# KiCad board S100-Backplane.kicad_pcb (continued)
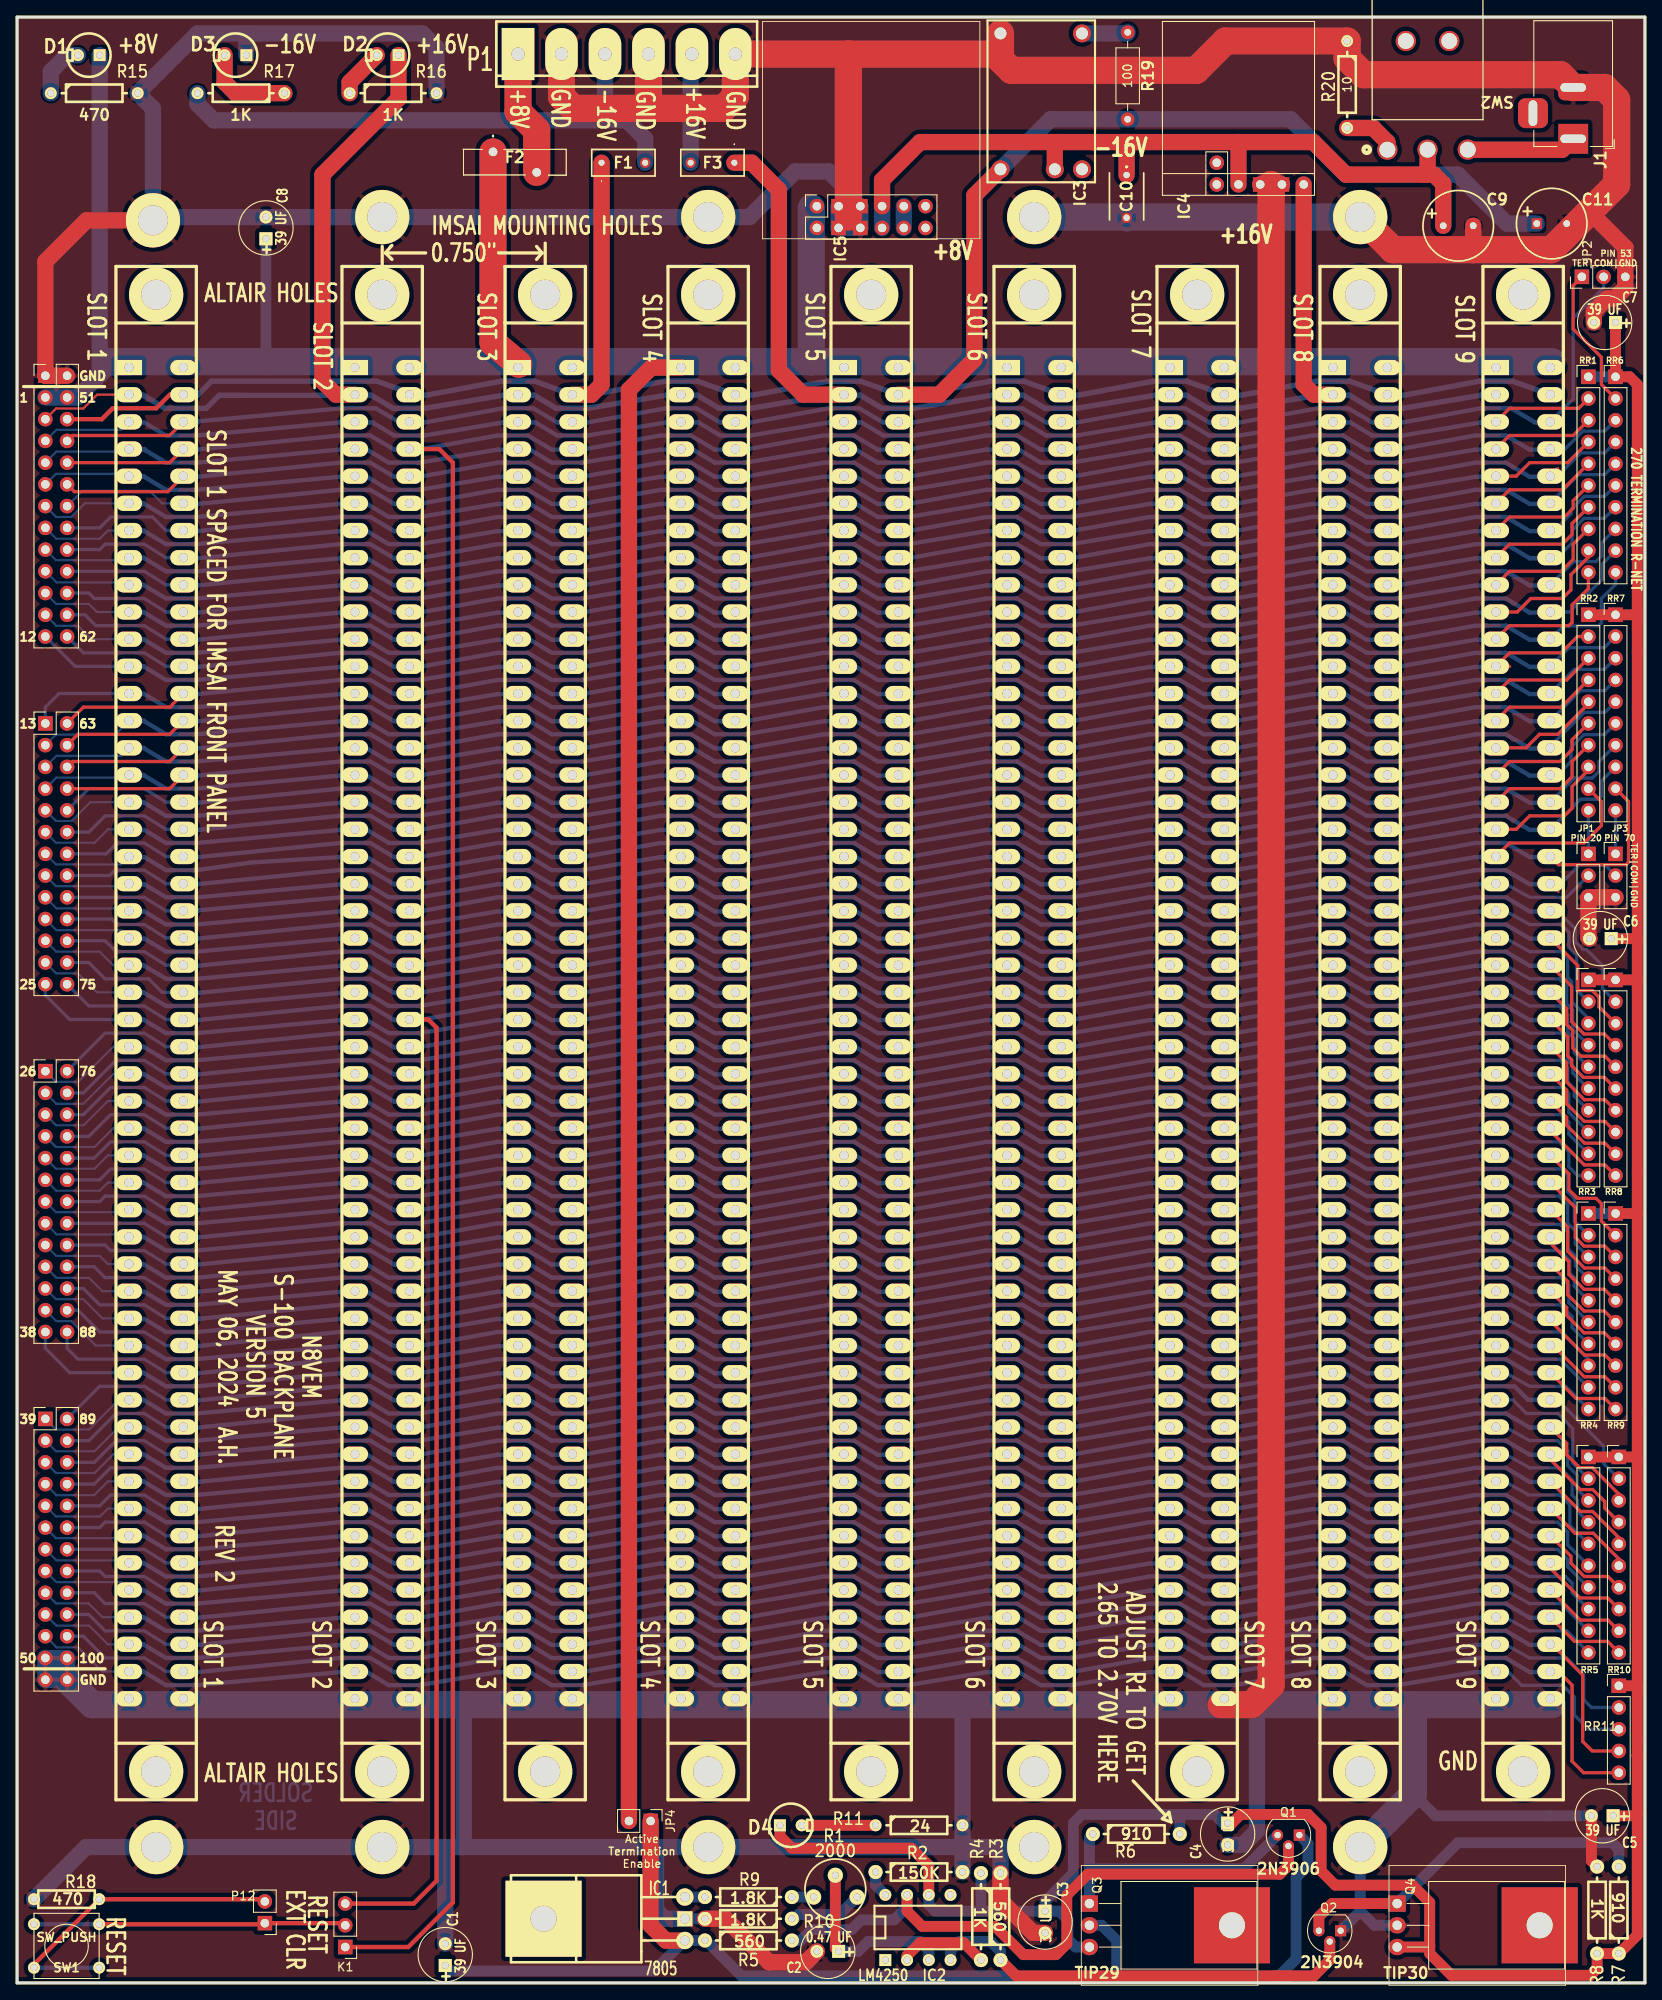
[diagram p0: board, top side]
## Nets (continued)
/pin_15: P3.5 RR2.5 U31.15 U32.15 U33.15 U34.15 U35.15 U36.15 U37.15 U38.15 U39.15
/pin_16: P3.7 RR2.6 U31.16 U32.16 U33.16 U34.16 U35.16 U36.16 U37.16 U38.16 U39.16
/pin_17: P3.9 RR2.7 U31.17 U32.17 U33.17 U34.17 U35.17 U36.17 U37.17 U38.17 U39.17
/pin_59: P2.20 RR6.8 U31.59 U32.59 U33.59 U34.59 U35.59 U36.59 U37.59 U38.59 U39.59
/pin_60: P2.22 RR6.9 U31.60 U32.60 U33.60 U34.60 U35.60 U36.60 U37.60 U38.60 U39.60
/pin_61: P2.24 RR6.10 U31.61 U32.61 U33.61 U34.61 U35.61 U36.61 U37.61 U38.61 U39.61
/pin_62: P2.26 RR7.2 U31.62 U32.62 U33.62 U34.62 U35.62 U36.62 U37.62 U38.62 U39.62
/pin_63: P3.2 RR7.3 U31.63 U32.63 U33.63 U34.63 U35.63 U36.63 U37.63 U38.63 U39.63
/pin_64: P3.4 RR7.4 U31.64 U32.64 U33.64 U34.64 U35.64 U36.64 U37.64 U38.64 U39.64
/pin_65: P3.6 RR7.5 U31.65 U32.65 U33.65 U34.65 U35.65 U36.65 U37.65 U38.65 U39.65
/pin_66: P3.8 RR7.6 U31.66 U32.66 U33.66 U34.66 U35.66 U36.66 U37.66 U38.66 U39.66
/PINTE: P4.5 RR3.9 U31.28 U32.28 U33.28 U34.28 U35.28 U36.28 U37.28 U38.28 U39.28
/PRDY: P3.20 RR8.3 U31.72 U32.72 U33.72 U34.72 U35.72 U36.72 U37.72 U38.72 U39.72
/PROT(GND): JP3.1 RR7.10
/PSYNC: P4.2 RR8.7 U31.76 U32.76 U33.76 U34.76 U35.76 U36.76 U37.76 U38.76 U39.76
/PWAIT: P4.3 RR3.8 U31.27 U32.27 U33.27 U34.27 U35.27 U36.27 U37.27 U38.27 U39.27
/RTC(---): P2.12 RR6.4 U31.55 U32.55 U33.55 U34.55 U35.55 U36.55 U37.55 U38.55 U39.55
/RUN: P3.18 RR8.2 U31.71 U32.71 U33.71 U34.71 U35.71 U36.71 U37.71 U38.71 U39.71
/SHLTA: P5.19 RR11.2 U31.48 U32.48 U33.48 U34.48 U35.48 U36.48 U37.48 U38.48 U39.48
/SINP: P5.15 RR5.9 U31.46 U32.46 U33.46 U34.46 U35.46 U36.46 U37.46 U38.46 U39.46
/SINTA: P5.16 RR10.9 U31.96 U32.96 U33.96 U34.96 U35.96 U36.96 U37.96 U38.96 U39.96
/SM1: P5.11 RR5.7 U31.44 U32.44 U33.44 U34.44 U35.44 U36.44 U37.44 U38.44 U39.44
/SMEMR: P5.17 RR5.10 U31.47 U32.47 U33.47 U34.47 U35.47 U36.47 U37.47 U38.47 U39.47
/SOUT: P5.13 RR5.8 U31.45 U32.45 U33.45 U34.45 U35.45 U36.45 U37.45 U38.45 U39.45
/SS: P3.17 RR3.2 U31.21 U32.21 U33.21 U34.21 U35.21 U36.21 U37.21 U38.21 U39.21
/SSTACK: P5.20 RR11.4 U31.98 U32.98 U33.98 U34.98 U35.98 U36.98 U37.98 U38.98 U39.98
/UNPROT(T5): JP1.1 RR2.10
/Vacc: C3.1 C4.1 C5.1 C6.1 C7.1 D4.1 IC2.6 Q3.3 Q4.3 R4.1 R6.2 R7.1 R8.1 RR1.1 RR2.1 RR3.1 RR4.1 RR5.1 RR6.1 RR7.1 RR8.1 RR9.1 RR10.1 RR11.1
/VI_0: P2.9 RR1.3 U31.4 U32.4 U33.4 U34.4 U35.4 U36.4 U37.4 U38.4 U39.4
/VI_1: P2.11 RR1.4 U31.5 U32.5 U33.5 U34.5 U35.5 U36.5 U37.5 U38.5 U39.5
/VI_2: P2.13 RR1.5 U31.6 U32.6 U33.6 U34.6 U35.6 U36.6 U37.6 U38.6 U39.6
/VI_3: P2.15 RR1.6 U31.7 U32.7 U33.7 U34.7 U35.7 U36.7 U37.7 U38.7 U39.7
/VI_4: P2.17 RR1.7 U31.8 U32.8 U33.8 U34.8 U35.8 U36.8 U37.8 U38.8 U39.8
/VI_5: P2.19 RR1.8 U31.9 U32.9 U33.9 U34.9 U35.9 U36.9 U37.9 U38.9 U39.9
/VI_6: P2.21 RR1.9 U31.10 U32.10 U33.10 U34.10 U35.10 U36.10 U37.10 U38.10 U39.10
/VI_7: P2.23 RR1.10 U31.11 U32.11 U33.11 U34.11 U35.11 U36.11 U37.11 U38.11 U39.11
/XRDY: P2.7 RR1.2 U31.3 U32.3 U33.3 U34.3 U35.3 U36.3 U37.3 U38.3 U39.3
Net-(C2-Pad1): C2.1 IC2.3 R1.2
Net-(D1-K): D1.2 R15.1
Net-(D2-K): D2.2 R16.1
Net-(D3-K): D3.2 R17.1
Net-(D4-K): D4.2 R11.1
Net-(IC2-FIN-Pad8): IC2.8 R2.1
Net-(IC2-MINUS-Pad2): IC2.2 R4.2
Net-(IC2-MINUS-Pad4): IC2.4 Q2.2 R3.1
Net-(IC3-VO_ADJUST): IC3.4 R19.1
Net-(IC5-Pin_10): IC5.9 IC5.10
Net-(J1-Pad1): J1.1 SW2.3
Net-(K1-PM): K1.2 P12.1 SW1.2
Net-(P12-PM): P12.2 R18.1 SW1.1
Net-(Q1-B): IC2.7 Q1.2 R5.2
Net-(Q1-C): Q1.3 Q3.1 R6.1
Net-(Q4-B): Q2.3 Q4.1 R7.2
Net-(R1-Pad1): R1.1 R9.1
Net-(R1-Pad3): R1.3 R10.1
Net-(R20-Pad2): R20.2 SW2.1

Pads without a net: IC1 4; IC2 1 5; IC3 3; IC4 1 6; IC5 11 12; J1 3; Q3 4; Q4 4; SW2 4 5; U31 101 102; U32 101 102; U33 101 102; U34 101 102; U35 101 102; U36 101 102; U37 101 102; U38 101 102; U39 101 102

## Routing (per net, layer and track width the routed paths; a pad name or vN(x,y) marks a point on that pad's centre or on a via; arc(x,y) is an arc through that point)
/VCC: length 2.3
  Copper w1.27: IC1.VO R9.2
/VIN: length 95.1
  Component w1.27: 121.28,215.01 121.41,215.14
  Component w1.905: 125.86,215.1 125.86,215.14 ; 125.86,215.14 129.67,215.14 ; 125.86,215.14 105.54,215.14 101.09,210.69 IC5.7 ; 164.47,211.33 155.32,211.33 151.51,215.14 142.75,215.14 ; 164.47,211.33 165.61,211.33 166.68,210.26 C9.1 ; 164.47,211.33 164.85,211.71 SW2.2 ; IC3.2 121.28,215.01 ; 129.67,215.14 142.75,215.14 ; 129.67,215.14 C10.1 ; 142.75,215.14 IC4.2
  Copper w1.905: IC5.8 IC5.7
GND: length 1141.4
  Component w1.27: C5.2 184,14.25 R8.2
  Component w1.905: P2.2 P2.1 3.3,201.17 8.13,205.99 P9#2.1 ; C2.2 92.2,2.41 87.88,2.41 82.8,7.49 R10.2 ; JP3.3 JP1.3 183.64,122.17 C6.2 ; C9.2 170.18,202.56 ; R3.2 114.94,9.65 118.75,5.84 120.14,5.84 ; C7.2 184.28,195.33 185.8,196.85 186.69,196.85 187.96,198.12 JP2.3 187.96,202.82 183.77,207.01 ; IC4.3 IC4.4
  Component w3.175: 73.91,219.07 65.02,219.07 63.63,220.47 P1.2 ; 73.91,219.07 73.79,219.2 P1.4 ; 73.91,219.07 82.55,219.07 83.95,220.47 P1.6 97.16,225.43 ; 114.93,224.8 116.21,223.52 137.79,223.52 141.22,226.95 R20.1 155.45,224.92 157.35,223.01 180.37,223.01 J1.2 185.52,221.52 186.94,220.09 186.94,210.19 179.32,202.56 160.78,202.56 P9#4.1 ; 114.93,224.8 114.3,225.43 97.16,225.43 ; 114.93,224.8 IC3.5 ; 144.02,32.51 140.72,32.51 ; 97.16,206.38 97.16,225.43 ; 144.27,32.51 146.56,34.8 146.56,210.19
  Copper w1.27: 156.97,8.38 P9#8.1 157.99,14.86 ; 156.97,8.38 Q2.1 ; 156.97,8.38 158.62,6.73 Q4.2 ; IC1.GND R10.2 ; 163.2,22.1 165.76,19.53 C5.2 ; 74.68,32.38 74.55,32.51
  Copper w1.905: 97.28,207.64 IC5.5 IC5.6 IC5.4 IC5.3 97.28,207.64 ; 97.28,207.64 97.28,209.3 94.87,211.71 90.93,211.71 85.6,206.38 P9.1 P9#5.1 C8.2 16.26,206.38 P9#2.1 ; IC1.GND 75.69,7.49 74.68,8.51 74.68,15.88 ; R16.2 49.02,226.19 47.37,227.84 27.05,227.84 ; 50.04,15.88 C1.2 ; 50.04,15.88 P9#10.1 P9#9.1 8.06,15.88 R18.2 ; 50.04,15.88 52.07,15.88 ; 74.68,15.88 P9#6.1 P9#7.1 ; 74.68,15.88 52.07,15.88 ; C4.2 143.26,16.13 144.91,17.78 144.91,32.51 ; 52.2,32.51 52.2,16 52.07,15.88 ; 110.74,32.51 110.49,32.26 R2.2 ; D3.1 26.8,227.58 27.05,227.84 ; P9#2.1 17.22,207.34 ; P9#2.1 15.88,219.07 R15.2 21.08,227.84 27.05,227.84 ; R3.2 114.94,14.73 ; 3.34,37.94 5.84,37.94 P5.26 P5.25 P5.23 3.34,37.94 ; IC4.4 IC4.3 IC4.4
  Copper w3.175: 163.2,32.51 163.2,22.1 P9#8.1 ; 163.2,32.51 179.42,32.51 ; 163.2,32.51 8.76,32.51 4.45,36.83 ; 146.56,207.39 146.56,210.19 ; P9#3.1 129.58,206.38 C10.2 129.75,206.38 P9#4.1
/+8_V: length 14.7
  Component w3.175: 58.55,225.43 58.55,218.69 60.73,216.51 F2.2
/+18_V: length 13.2
  Component w1.905: 78.73,224.53 78.87,224.66 ; 78.72,225.28 P1.5
  Copper w1.905: F3.2 78.72,225.28 P1.5
/-16_V: length 65.8
  Copper w1.905: 68.71,217.68 P1.3 ; 68.71,217.68 71.25,217.68 73.41,215.52 F1.2 ; 68.71,217.68 22.99,217.68 21.08,219.58 R17.2
/---(/PHANT): length 194.6
  Component w0.381: 179.64,137.99 179.26,137.99 U39.67 179.19,138.48
  Copper w0.381: U31.67 17.4,137.99 ; 17.4,137.99 17.46,137.99 ; 17.4,137.99 14.86,139.57 8.38,139.57 P3.10 ; U39.67 182.01,140.81 184.1,140.81 184.88,141.6 184.88,142.72 RR7.7
  Copper w0.508: 178.56,137.99 178.56,137.92 176.78,137.92 173.99,139.57 170.43,139.57 161.29,137.92 159.39,137.92 159.51,137.99 159.51,137.92 157.73,137.92 154.94,139.57 151.38,139.57 142.24,137.92 140.34,137.92 140.46,137.99 140.46,137.92 138.68,137.92 135.89,139.57 132.33,139.57 123.19,137.92 121.28,137.92 121.41,137.99 121.41,137.92 119.63,137.92 116.84,139.57 113.28,139.57 104.14,137.92 102.24,137.92 102.36,137.99 102.36,137.92 100.58,137.92 97.79,139.57 94.23,139.57 85.09,137.92 83.19,137.92 83.31,137.99 83.31,137.92 81.53,137.92 78.74,139.57 75.18,139.57 66.04,137.92 64.14,137.92 64.26,137.99 64.26,137.92 62.48,137.92 59.69,139.57 56.13,139.57 46.99,137.92 45.09,137.92 45.21,137.99 ; U32.67 45.85,137.92 44.07,137.92 41.28,139.57 37.72,139.57 21.08,137.92 19.05,137.92 19.17,137.99
//ADDDSB: length 194.6
  Copper w0.25: P3.19 4.6,123.03 12.16,123.03 U31.22
  Copper w0.381: 173.54,122.12 U39.22 173.93,122.11 176.78,120.52 ; 176.78,120.52 176.85,120.52 ; 176.78,120.52 180.47,120.52 181.23,119.76 181.23,117.47 181.69,117.02 181.69,114.66 183.64,112.71 RR3.3
  Copper w0.508: 153.16,122.05 155.19,122.05 157.73,120.52 161.29,120.52 170.43,122.05 172.21,122.05 172.21,122.12 ; 153.16,122.05 153.16,122.12 153.16,122.05 ; 153.16,122.05 151.38,122.05 142.24,120.52 138.68,120.52 136.14,122.05 134.11,122.05 ; 134.11,122.05 134.11,122.12 134.11,122.05 ; 134.11,122.05 132.33,122.05 123.19,120.52 119.63,120.52 117.09,122.05 115.06,122.05 ; 115.06,122.05 115.06,122.12 115.06,122.05 ; 115.06,122.05 113.28,122.05 104.14,120.52 100.58,120.52 98.04,122.05 96.01,122.05 ; 96.01,122.05 96.01,122.12 96.01,122.05 ; 96.01,122.05 94.23,122.05 85.09,120.52 81.53,120.52 78.99,122.05 76.96,122.05 ; 76.96,122.05 76.96,122.12 76.96,122.05 ; 76.96,122.05 75.18,122.05 66.04,120.52 62.48,120.52 59.94,122.05 57.91,122.05 ; 57.91,122.05 57.91,122.12 57.91,122.05 ; 57.91,122.05 56.13,122.05 46.99,120.52 43.43,120.52 40.89,122.05 38.86,122.05 38.86,122.12 ; U32.22 39.5,122.05 37.72,122.05 20.96,120.52 17.4,120.52 14.86,122.05 12.83,122.05
//CCDSB: length 197.4
  Component w0.381: U39.19 174.42,133.22 183.13,133.22 185.17,135.25 185.17,138.05 RR2.9
  Copper w0.25: U31.19 12.15,130.71 4.54,130.71 P3.13
  Copper w0.381: 173.54,131.64 U39.19 173.93,131.64 ; U31.19 12.44,131.64
  Copper w0.508: 153.16,131.57 155.19,131.57 157.73,130.05 161.29,130.05 170.43,131.57 172.21,131.57 172.21,131.64 ; 153.16,131.57 153.16,131.64 153.16,131.57 ; 153.16,131.57 151.38,131.57 142.24,130.05 138.68,130.05 136.14,131.57 134.11,131.57 ; 134.11,131.57 134.11,131.64 134.11,131.57 ; 134.11,131.57 132.33,131.57 123.19,130.05 119.63,130.05 117.09,131.57 115.06,131.57 ; 115.06,131.57 115.06,131.64 115.06,131.57 ; 115.06,131.57 113.28,131.57 104.14,130.05 100.58,130.05 98.04,131.57 96.01,131.57 ; 96.01,131.57 96.01,131.64 96.01,131.57 ; 96.01,131.57 94.23,131.57 85.09,130.05 81.53,130.05 78.99,131.57 76.96,131.57 ; 76.96,131.57 76.96,131.64 76.96,131.57 ; 76.96,131.57 75.18,131.57 66.04,130.05 62.48,130.05 59.94,131.57 57.91,131.57 ; 57.91,131.57 57.91,131.64 57.91,131.57 ; 57.91,131.57 56.13,131.57 46.99,130.05 43.43,130.05 40.89,131.57 38.86,131.57 38.86,131.64 ; U32.19 39.5,131.57 37.59,131.57 ; 37.72,131.57 37.59,131.57 ; 37.59,131.57 27.31,130.94 20.96,130.05 17.4,130.05 14.86,131.57 12.83,131.57
//CLOCK: length 198.3
  Copper w0.25: U31.49 9.96,36.39 7.14,39.21 4.6,39.21 P5.21
  Copper w0.381: 174.05,36.45 172.85,36.45 U39.49 ; U39.49 173.79,36.39 ; U39.49 173.93,36.39 ; U39.49 174.23,36.39 175.84,34.77 180.64,34.77 182.02,33.4 182.02,31.29 183.67,29.64 RR11.3
  Copper w0.508: 153.16,36.32 155.19,36.32 157.73,34.8 161.29,34.8 170.43,36.32 172.21,36.32 172.21,36.39 ; 153.16,36.32 153.16,36.39 153.16,36.32 ; 153.16,36.32 151.38,36.32 142.24,34.8 138.68,34.8 136.14,36.32 134.11,36.32 ; 134.11,36.32 134.11,36.39 134.11,36.32 ; 134.11,36.32 132.33,36.32 123.19,34.8 119.63,34.8 117.09,36.32 115.06,36.32 ; 115.06,36.32 115.06,36.39 115.06,36.32 ; 115.06,36.32 113.28,36.32 104.14,34.8 100.58,34.8 98.04,36.32 96.01,36.32 ; 96.01,36.32 96.01,36.39 96.01,36.32 ; 96.01,36.32 94.23,36.32 85.09,34.8 81.53,34.8 78.99,36.32 76.96,36.32 ; 76.96,36.32 76.96,36.39 76.96,36.32 ; 76.96,36.32 75.18,36.32 66.04,34.8 62.48,34.8 59.94,36.32 57.91,36.32 ; 57.91,36.32 57.91,36.39 57.91,36.32 ; 57.91,36.32 56.13,36.32 46.99,34.8 43.43,34.8 40.89,36.32 38.86,36.32 38.86,36.39 ; U32.49 39.5,36.32 37.72,36.32 20.96,34.8 17.4,34.8 14.86,36.32 14.79,36.39 U31.49
//DODSB: length 193.8
  Copper w0.25: U31.23 11.22,118.94 9.63,120.52 4.57,120.52 P3.21
  Copper w0.381: 173.54,118.94 U39.23 173.93,118.94 176.78,117.35 180.21,117.35 181.11,116.45 181.11,114.43 181.1,114.43 181.81,113.72 181.81,111.43 RR3.4
  Copper w0.508: 172.21,118.94 172.21,118.87 170.43,118.87 161.29,117.35 157.73,117.35 155.19,118.87 153.16,118.87 ; 153.16,118.87 153.16,118.94 153.16,118.87 ; 153.16,118.87 151.38,118.87 142.24,117.35 138.68,117.35 136.14,118.87 134.11,118.87 ; 134.11,118.87 134.11,118.94 134.11,118.87 ; 134.11,118.87 132.33,118.87 123.19,117.35 119.63,117.35 117.09,118.87 115.06,118.87 ; 115.06,118.87 115.06,118.94 115.06,118.87 ; 115.06,118.87 113.28,118.87 104.14,117.35 100.58,117.35 98.04,118.87 96.01,118.87 ; 96.01,118.87 96.01,118.94 96.01,118.87 ; 96.01,118.87 94.23,118.87 85.09,117.35 81.53,117.35 78.99,118.87 76.96,118.87 ; 76.96,118.87 76.96,118.94 76.96,118.87 ; 76.96,118.87 75.18,118.87 66.04,117.35 62.48,117.35 59.94,118.87 57.91,118.87 ; 57.91,118.87 57.91,118.94 57.91,118.87 ; 57.91,118.87 56.13,118.87 46.99,117.35 43.43,117.35 40.89,118.87 38.86,118.87 38.86,118.94 ; U32.23 39.5,118.87 37.72,118.87 20.96,117.35 17.4,117.35 14.86,118.87 14.79,118.94 U31.23
//EXTCLR: length 380.2
  Component w0.25: U39.54 179.47,179.55
  Component w0.381: 179.2,179.45 179.07,179.32 U39.54 ; P2.10 17.83,177.67 U31.54
  Component w0.508: K1.1 45.72,4.19 50.93,9.4 50.93,177.67 49.33,179.27 U32.54
  Copper w0.381: U39.54 180.92,179.27 183.01,181.36 185.55,181.36 RR6.3
  Copper w0.508: 178.56,179.27 178.56,179.2 176.78,179.2 173.99,180.85 170.43,180.85 161.29,179.2 159.39,179.2 159.51,179.27 159.51,179.2 157.73,179.2 154.94,180.85 151.38,180.85 142.24,179.2 140.34,179.2 140.46,179.27 140.46,179.2 138.68,179.2 135.89,180.85 132.33,180.85 123.19,179.2 121.28,179.2 121.41,179.27 121.41,179.2 119.63,179.2 116.84,180.85 113.28,180.85 104.14,179.2 102.24,179.2 102.36,179.27 102.36,179.2 100.58,179.2 97.79,180.85 94.23,180.85 85.09,179.2 83.19,179.2 83.31,179.27 83.31,179.2 81.53,179.2 78.74,180.85 75.18,180.85 66.04,179.2 64.14,179.2 64.26,179.27 64.26,179.2 62.48,179.2 59.69,180.85 56.13,180.85 46.99,179.2 45.09,179.2 45.21,179.27 ; U32.54 45.85,179.2 44.07,179.2 41.28,180.85 37.72,180.85 21.08,179.2 19.05,179.2 19.17,179.27
//J_SSW_DSBL: length 204.2
  Component w0.25: U39.53 179.48,182.15
  Component w0.381: P2.8 6.48,180.85 17.83,180.85 U31.53
  Copper w0.381: 179.2,182.44 U39.53 ; U39.53 179.07,182.37 179.2,182.5 180.34,182.5 ; U39.53 181.86,185.11 181.86,194.56 185.42,198.12 JP2.2
  Copper w0.508: U39.53 179.2,182.37 177.42,182.37 174.63,184.02 171.07,184.02 161.92,182.37 160.02,182.37 U38.53 160.15,182.37 158.37,182.37 155.58,184.02 152.02,184.02 142.88,182.37 140.97,182.37 U37.53 141.1,182.37 139.32,182.37 136.53,184.02 132.97,184.02 123.83,182.37 121.92,182.37 U36.53 122.05,182.37 120.27,182.37 117.47,184.02 113.92,184.02 104.78,182.37 102.87,182.37 U35.53 103,182.37 101.22,182.37 98.43,184.02 94.87,184.02 85.72,182.37 83.82,182.37 U34.53 83.95,182.37 82.17,182.37 79.38,184.02 75.82,184.02 66.68,182.37 64.77,182.37 U33.53 64.9,182.37 63.12,182.37 60.33,184.02 56.77,184.02 47.62,182.37 45.72,182.37 U32.53 ; 46.48,182.44 46.48,182.37 44.7,182.37 41.91,184.02 37.72,184.02 ; 19.17,182.44 19.05,182.37 21.08,182.37 20.96,182.37 ; 37.85,184.02 21.08,182.5
//PHOLD: length 196.3
  Component w0.381: 179.2,115.95 179.07,115.82 U39.74 181.11,113.85 181.11,112.01 181.81,111.31 181.81,109.27 182.78,108.3 185.58,108.3 RR8.5
  Copper w0.381: U31.74 16.95,115.77 15.37,117.35 10.29,117.35 8.38,119.25 P3.24
  Copper w0.508: 178.56,115.77 178.56,115.7 176.78,115.7 173.99,117.35 170.43,117.35 161.29,115.7 159.39,115.7 159.51,115.77 159.51,115.7 157.73,115.7 154.94,117.35 151.38,117.35 142.24,115.7 140.34,115.7 140.46,115.77 140.46,115.7 138.68,115.7 135.89,117.35 132.33,117.35 123.19,115.7 121.28,115.7 121.41,115.77 121.41,115.7 119.63,115.7 116.84,117.35 113.28,117.35 104.14,115.7 102.24,115.7 102.36,115.77 102.36,115.7 100.58,115.7 97.79,117.35 94.23,117.35 85.09,115.7 83.19,115.7 83.31,115.77 83.31,115.7 81.53,115.7 78.74,117.35 75.18,117.35 66.04,115.7 64.14,115.7 64.26,115.77 64.26,115.7 62.48,115.7 59.69,117.35 56.13,117.35 46.99,115.7 45.09,115.7 45.21,115.77 ; U32.74 45.85,115.7 44.07,115.7 41.28,117.35 37.72,117.35 21.08,115.7 19.05,115.7 19.17,115.77
//PINT: length 196.5
  Component w0.381: 179.45,118.49 179.2,118.75 U39.73 181.69,116.45 181.69,112.34 183.13,110.9 185.52,110.9 RR8.4
  Copper w0.381: 17.4,118.94 14.86,120.52 11.56,120.52 10.29,121.79 P3.22 ; 17.4,118.94 U31.73 ; 17.4,118.94 17.46,118.94
  Copper w0.508: 178.56,118.94 178.56,118.87 176.78,118.87 173.99,120.52 170.43,120.52 161.29,118.87 159.39,118.87 159.51,118.94 159.51,118.87 157.73,118.87 154.94,120.52 151.38,120.52 142.24,118.87 140.34,118.87 140.46,118.94 140.46,118.87 138.68,118.87 135.89,120.52 132.33,120.52 123.19,118.87 121.28,118.87 121.41,118.94 121.41,118.87 119.63,118.87 116.84,120.52 113.28,120.52 104.14,118.87 102.24,118.87 102.36,118.94 102.36,118.87 100.58,118.87 97.79,120.52 94.23,120.52 85.09,118.87 83.19,118.87 83.31,118.94 83.31,118.87 81.53,118.87 78.74,120.52 75.18,120.52 66.04,118.87 64.14,118.87 64.26,118.94 64.26,118.87 62.48,118.87 59.69,120.52 56.13,120.52 46.99,118.87 45.09,118.87 45.21,118.94 ; U32.73 45.85,118.87 44.07,118.87 41.28,120.52 37.72,120.52 21.08,118.87 19.05,118.87 19.17,118.94
//POC: length 201.5
  Component w0.381: RR11.5 183.08,24.56 181.74,25.91 181.74,34.8 180.14,36.39 U39.99
  Copper w0.381: 179.32,36.45 U39.99 179.2,36.45 179.83,36.45 ; 17.4,36.39 17.46,36.39 ; 17.4,36.39 14.86,37.97 10.29,37.97 7.75,40.51 P5.22 ; 17.4,36.39 U31.99
  Copper w0.508: 178.56,36.39 178.56,36.32 176.78,36.32 173.99,37.97 170.43,37.97 161.29,36.32 159.39,36.32 159.51,36.39 159.51,36.32 157.73,36.32 154.94,37.97 151.38,37.97 142.24,36.32 140.34,36.32 140.46,36.39 140.46,36.32 138.68,36.32 135.89,37.97 132.33,37.97 123.19,36.32 121.28,36.32 121.41,36.39 121.41,36.32 119.63,36.32 116.84,37.97 113.28,37.97 104.14,36.32 102.24,36.32 102.36,36.39 102.36,36.32 100.58,36.32 97.79,37.97 94.23,37.97 85.09,36.32 83.19,36.32 83.31,36.39 83.31,36.32 81.53,36.32 78.74,37.97 75.18,37.97 66.04,36.32 64.14,36.32 64.26,36.39 64.26,36.32 62.48,36.32 59.69,37.97 56.13,37.97 46.99,36.32 45.09,36.32 45.21,36.39 ; U32.99 45.85,36.32 44.07,36.32 41.28,37.97 37.72,37.97 21.08,36.32 19.05,36.32 19.17,36.39
//PRESET: length 310.4
  Component w0.381: 179.07,112.65 U39.75 181.23,110.55 181.23,108.33 181.69,107.87 181.69,107.19 183.05,105.82 185.52,105.82 RR8.6
  Component w0.508: U32.75 48.06,112.59 49.02,111.63 49.02,11.94 46.36,9.27 K1.3
  Copper w0.381: 17.4,112.59 14.86,114.17 8.38,114.17 P3.26 ; 17.4,112.59 U31.75 ; 17.4,112.59 17.46,112.59
  Copper w0.508: 178.56,112.59 178.56,112.52 176.78,112.52 173.99,114.17 170.43,114.17 161.29,112.52 159.39,112.52 159.51,112.59 159.51,112.52 157.73,112.52 154.94,114.17 151.38,114.17 142.24,112.52 140.34,112.52 140.46,112.59 140.46,112.52 138.68,112.52 135.89,114.17 132.33,114.17 123.19,112.52 121.28,112.52 121.41,112.59 121.41,112.52 119.63,112.52 116.84,114.17 113.28,114.17 104.14,112.52 102.24,112.52 102.36,112.59 102.36,112.52 100.58,112.52 97.79,114.17 94.23,114.17 85.09,112.52 83.19,112.52 83.31,112.59 83.31,112.52 81.53,112.52 78.74,114.17 75.18,114.17 66.04,112.52 64.14,112.52 64.26,112.59 64.26,112.52 62.48,112.52 59.69,114.17 56.13,114.17 46.99,112.52 45.09,112.52 45.21,112.59 ; U32.75 45.85,112.52 44.07,112.52 41.28,114.17 37.72,114.17 21.08,112.52 19.05,112.52 19.17,112.59
//PS(---): length 201.5
  Component w0.381: U39.69 180.15,130.68 188.03,130.68 188.33,130.99 188.33,138.06 RR7.9
  Copper w0.381: 179.58,131.19 179.2,131.57 U39.69 ; 17.4,131.64 17.46,131.64 ; 17.4,131.64 U31.69 ; 17.4,131.64 14.86,133.22 11.68,133.22 10.41,131.95 P3.14
  Copper w0.508: 178.56,131.64 178.56,131.57 176.78,131.57 173.99,133.22 170.43,133.22 161.29,131.57 159.39,131.57 159.51,131.64 159.51,131.57 157.73,131.57 154.94,133.22 151.38,133.22 142.24,131.57 140.34,131.57 140.46,131.64 140.46,131.57 138.68,131.57 135.89,133.22 132.33,133.22 123.19,131.57 121.28,131.57 121.41,131.64 121.41,131.57 119.63,131.57 116.84,133.22 113.28,133.22 104.14,131.57 102.24,131.57 102.36,131.64 102.36,131.57 100.58,131.57 97.79,133.22 94.23,133.22 85.09,131.57 83.19,131.57 83.31,131.64 83.31,131.57 81.53,131.57 78.74,133.22 75.18,133.22 66.04,131.57 64.14,131.57 64.26,131.64 64.26,131.57 62.48,131.57 59.69,133.22 56.13,133.22 46.99,131.57 45.09,131.57 45.21,131.64 ; U32.69 45.85,131.57 44.07,131.57 41.28,133.22 37.72,133.22 21.08,131.57 19.05,131.57 19.17,131.64
//PWR: length 195.1
  Component w0.381: 179.58,105.79 179.2,106.17 U39.77 181.11,104.33 181.11,102.74 183.16,100.68 185.58,100.68 RR8.8
  Copper w0.381: 17.4,106.24 17.46,106.24 ; 17.4,106.24 U31.77 ; 17.4,106.24 14.86,107.82 11.56,107.82 7.75,104.01 P4.4
  Copper w0.508: 178.56,106.24 178.56,106.17 176.78,106.17 173.99,107.82 170.43,107.82 161.29,106.17 159.39,106.17 159.51,106.24 159.51,106.17 157.73,106.17 154.94,107.82 151.38,107.82 142.24,106.17 140.34,106.17 140.46,106.24 140.46,106.17 138.68,106.17 135.89,107.82 132.33,107.82 123.19,106.17 121.28,106.17 121.41,106.24 121.41,106.17 119.63,106.17 116.84,107.82 113.28,107.82 104.14,106.17 102.24,106.17 102.36,106.24 102.36,106.17 100.58,106.17 97.79,107.82 94.23,107.82 85.09,106.17 83.19,106.17 83.31,106.24 83.31,106.17 81.53,106.17 78.74,107.82 75.18,107.82 66.04,106.17 64.14,106.17 64.26,106.24 64.26,106.17 62.48,106.17 59.69,107.82 56.13,107.82 46.99,106.17 45.09,106.17 45.21,106.24 ; U32.77 45.85,106.17 44.07,106.17 41.28,107.82 37.72,107.82 21.08,106.17 19.05,106.17 19.17,106.24
//SSW_DSBL: length 17.2
  Component w0.381: JP2.1 181.86,198.37 181.86,193.29 185.17,189.99 185.17,186.82 RR6.2
  Copper w0.381: RR6.2 186.31,185.17
//STADSB: length 193.6
  Component w0.381: U39.18 175.2,134.82 176.78,136.4 180.85,136.4 181.74,137.29 181.74,139.83 183.64,141.73 RR2.8
  Copper w0.25: P3.11 4.54,133.25 9.05,133.25 10.61,134.82 U31.18
  Copper w0.381: 173.93,134.81 U39.18 173.54,134.82
  Copper w0.508: 172.21,134.82 172.21,134.75 170.43,134.75 161.29,133.22 157.73,133.22 155.19,134.75 153.16,134.75 ; 153.16,134.75 153.16,134.82 153.16,134.75 ; 153.16,134.75 151.38,134.75 142.24,133.22 138.68,133.22 136.14,134.75 134.11,134.75 ; 134.11,134.75 134.11,134.82 134.11,134.75 ; 134.11,134.75 132.33,134.75 123.19,133.22 119.63,133.22 117.09,134.75 115.06,134.75 ; 115.06,134.75 115.06,134.82 115.06,134.75 ; 115.06,134.75 113.28,134.75 104.14,133.22 100.58,133.22 98.04,134.75 96.01,134.75 ; 96.01,134.75 96.01,134.82 96.01,134.75 ; 96.01,134.75 94.23,134.75 85.09,133.22 81.53,133.22 78.99,134.75 76.96,134.75 ; 76.96,134.75 76.96,134.82 76.96,134.75 ; 76.96,134.75 75.18,134.75 66.04,133.22 62.48,133.22 59.94,134.75 57.91,134.75 ; 57.91,134.75 57.91,134.82 57.91,134.75 ; 57.91,134.75 56.13,134.75 46.99,133.22 43.43,133.22 40.89,134.75 38.86,134.75 38.86,134.82 ; U32.18 39.5,134.75 37.72,134.75 20.96,133.22 17.4,133.22 14.86,134.75 12.83,134.75
//STSTB(---): length 192.9
  Component w0.381: 179.9,172.91 179.07,172.91 U39.56
  Copper w0.25: P2.14 7.62,174.37 15.49,174.37 16.95,172.92 U31.56
  Copper w0.381: U39.56 179.19,172.97 182.5,176.28 185.55,176.28 RR6.5
  Copper w0.508: 178.56,172.92 178.56,172.85 176.78,172.85 173.99,174.5 170.43,174.5 161.29,172.85 159.39,172.85 159.51,172.92 159.51,172.85 157.73,172.85 154.94,174.5 151.38,174.5 142.24,172.85 140.34,172.85 140.46,172.92 140.46,172.85 138.68,172.85 135.89,174.5 132.33,174.5 123.19,172.85 121.28,172.85 121.41,172.92 121.41,172.85 119.63,172.85 116.84,174.5 113.28,174.5 104.14,172.85 102.24,172.85 102.36,172.92 102.36,172.85 100.58,172.85 97.79,174.5 94.23,174.5 85.09,172.85 83.19,172.85 83.31,172.92 83.31,172.85 81.53,172.85 78.74,174.5 75.18,174.5 66.04,172.85 64.14,172.85 64.26,172.92 64.26,172.85 62.48,172.85 59.69,174.5 56.13,174.5 46.99,172.85 45.09,172.85 45.21,172.92 ; U32.56 45.85,172.85 44.07,172.85 41.28,174.5 37.72,174.5 21.08,172.85 19.05,172.85 19.17,172.92
//SWO: length 192.9
  Component w0.381: U39.97 182.03,39.91 185.9,39.91 RR10.10
  Copper w0.381: 17.4,42.74 14.86,44.32 10.29,44.32 9.02,45.59 P5.18 ; 17.4,42.74 U31.97 ; 17.4,42.74 17.46,42.74 ; U39.97 180.28,42.74
  Copper w0.508: 178.56,42.74 178.56,42.67 176.78,42.67 173.99,44.32 170.43,44.32 161.29,42.67 159.39,42.67 159.51,42.74 159.51,42.67 157.73,42.67 154.94,44.32 151.38,44.32 142.24,42.67 140.34,42.67 140.46,42.74 140.46,42.67 138.68,42.67 135.89,44.32 132.33,44.32 123.19,42.67 121.28,42.67 121.41,42.74 121.41,42.67 119.63,42.67 116.84,44.32 113.28,44.32 104.14,42.67 102.24,42.67 102.36,42.74 102.36,42.67 100.58,42.67 97.79,44.32 94.23,44.32 85.09,42.67 83.19,42.67 83.31,42.74 83.31,42.67 81.53,42.67 78.74,44.32 75.18,44.32 66.04,42.67 64.14,42.67 64.26,42.74 64.26,42.67 62.48,42.67 59.69,44.32 56.13,44.32 46.99,42.67 45.09,42.67 45.21,42.74 ; U32.97 45.85,42.67 44.07,42.67 41.28,44.32 37.72,44.32 21.08,42.67 19.05,42.67 19.17,42.74
/A0: length 194
  Component w0.25: U39.79 179.47,100.17
  Component w0.381: 179.96,100.08 179.2,100.08 U39.79 179.19,99.57 183.16,95.6 185.58,95.6 RR8.10
  Copper w0.381: 17.4,99.89 17.46,99.89 ; 17.4,99.89 U31.79 ; 17.4,99.89 14.86,101.47 10.92,101.47 8.38,98.93 P4.8
  Copper w0.508: 178.56,99.89 178.56,99.82 176.78,99.82 173.99,101.47 170.43,101.47 161.29,99.82 159.39,99.82 159.51,99.89 159.51,99.82 157.73,99.82 154.94,101.47 151.38,101.47 142.24,99.82 140.34,99.82 140.46,99.89 140.46,99.82 138.68,99.82 135.89,101.47 132.33,101.47 123.19,99.82 121.28,99.82 121.41,99.89 121.41,99.82 119.63,99.82 116.84,101.47 113.28,101.47 104.14,99.82 102.24,99.82 102.36,99.89 102.36,99.82 100.58,99.82 97.79,101.47 94.23,101.47 85.09,99.82 83.19,99.82 83.31,99.89 83.31,99.82 81.53,99.82 78.74,101.47 75.18,101.47 66.04,99.82 64.14,99.82 64.26,99.89 64.26,99.82 62.48,99.82 59.69,101.47 56.13,101.47 46.99,99.82 45.09,99.82 45.21,99.89 ; U32.79 45.85,99.82 44.07,99.82 41.28,101.47 37.72,101.47 21.08,99.82 19.05,99.82 19.17,99.89
/A1: length 196.9
  Component w0.381: 179.32,96.9 U39.80 ; U39.80 181.36,94.55 181.36,92.71 182.37,91.69 184.53,91.69 185.17,91.06 185.17,89.03 RR9.2 ; U39.80 179.19,96.08
  Copper w0.381: U31.80 17.4,96.72 ; 17.4,96.72 17.46,96.72 ; 17.4,96.72 14.86,98.3 10.92,98.3 9.02,96.39 P4.10
  Copper w0.508: 178.56,96.72 178.56,96.65 176.78,96.65 173.99,98.3 170.43,98.3 161.29,96.65 159.39,96.65 159.51,96.72 159.51,96.65 157.73,96.65 154.94,98.3 151.38,98.3 142.24,96.65 140.34,96.65 140.46,96.72 140.46,96.65 138.68,96.65 135.89,98.3 132.33,98.3 123.19,96.65 121.28,96.65 121.41,96.72 121.41,96.65 119.63,96.65 116.84,98.3 113.28,98.3 104.14,96.65 102.24,96.65 102.36,96.72 102.36,96.65 100.58,96.65 97.79,98.3 94.23,98.3 85.09,96.65 83.19,96.65 83.31,96.72 83.31,96.65 81.53,96.65 78.74,98.3 75.18,98.3 66.04,96.65 64.14,96.65 64.26,96.72 64.26,96.65 62.48,96.65 59.69,98.3 56.13,98.3 46.99,96.65 45.09,96.65 45.21,96.72 ; U32.80 45.85,96.65 44.07,96.65 41.28,98.3 37.72,98.3 21.08,96.65 19.05,96.65 19.17,96.72
/A2: length 195.5
  Component w0.381: 179.32,93.6 U39.81 182.12,90.61 182.12,87.12 183.13,86.11 185.55,86.11 RR9.3
  Copper w0.381: U31.81 17.4,93.54 ; 17.4,93.54 17.46,93.54 ; 17.4,93.54 14.86,95.12 10.92,95.12 9.65,93.85 P4.12
  Copper w0.508: 178.56,93.54 178.56,93.47 176.78,93.47 173.99,95.12 170.43,95.12 161.29,93.47 159.39,93.47 159.51,93.54 159.51,93.47 157.73,93.47 154.94,95.12 151.38,95.12 142.24,93.47 140.34,93.47 140.46,93.54 140.46,93.47 138.68,93.47 135.89,95.12 132.33,95.12 123.19,93.47 121.28,93.47 121.41,93.54 121.41,93.47 119.63,93.47 116.84,95.12 113.28,95.12 104.14,93.47 102.24,93.47 102.36,93.54 102.36,93.47 100.58,93.47 97.79,95.12 94.23,95.12 85.09,93.47 83.19,93.47 83.31,93.54 83.31,93.47 81.53,93.47 78.74,95.12 75.18,95.12 66.04,93.47 64.14,93.47 64.26,93.54 64.26,93.47 62.48,93.47 59.69,95.12 56.13,95.12 46.99,93.47 45.09,93.47 45.21,93.54 ; U32.81 45.85,93.47 44.07,93.47 41.28,95.12 37.72,95.12 21.08,93.47 19.05,93.47 19.17,93.54
/A3: length 192.9
  Copper w0.25: U31.31 10.61,93.54 9.65,92.58 4.57,92.58 P4.11
  Copper w0.381: 173.54,93.54 U39.31 173.93,93.54 176.78,91.95 180.21,91.95 181.23,90.93 181.23,88.77 182.12,87.88 182.12,86.36 182.12,86.36 RR4.3
  Copper w0.508: 153.16,93.47 155.19,93.47 157.73,91.95 161.29,91.95 170.43,93.47 172.21,93.47 172.21,93.54 ; 153.16,93.47 153.16,93.54 153.16,93.47 ; 153.16,93.47 151.38,93.47 142.24,91.95 138.68,91.95 136.14,93.47 134.11,93.47 ; 134.11,93.47 134.11,93.54 134.11,93.47 ; 134.11,93.47 132.33,93.47 123.19,91.95 119.63,91.95 117.09,93.47 115.06,93.47 ; 115.06,93.47 115.06,93.54 115.06,93.47 ; 115.06,93.47 113.28,93.47 104.14,91.95 100.58,91.95 98.04,93.47 96.01,93.47 ; 96.01,93.47 96.01,93.54 96.01,93.47 ; 96.01,93.47 94.23,93.47 85.09,91.95 81.53,91.95 78.99,93.47 76.96,93.47 ; 76.96,93.47 76.96,93.54 76.96,93.47 ; 76.96,93.47 75.18,93.47 66.04,91.95 62.48,91.95 59.94,93.47 57.91,93.47 ; 57.91,93.47 57.91,93.54 57.91,93.47 ; 57.91,93.47 56.13,93.47 46.99,91.95 43.43,91.95 40.89,93.47 38.86,93.47 38.86,93.54 ; U32.31 39.5,93.47 37.72,93.47 20.96,91.95 17.4,91.95 14.86,93.47 14.79,93.54 U31.31
/A4: length 193.9
  Copper w0.25: U31.30 10.61,96.72 9.05,95.15 4.54,95.15 P4.9
  Copper w0.381: 173.54,96.72 U39.30 173.93,96.71 176.78,95.12 180.47,95.12 181.23,94.36 181.23,92.46 181.99,91.69 181.99,89.03 RR4.2
  Copper w0.508: 172.21,96.72 172.21,96.65 170.43,96.65 161.29,95.12 157.73,95.12 155.19,96.65 153.16,96.65 ; 153.16,96.65 153.16,96.72 153.16,96.65 ; 153.16,96.65 151.38,96.65 142.24,95.12 138.68,95.12 136.14,96.65 134.11,96.65 ; 134.11,96.65 134.11,96.72 134.11,96.65 ; 134.11,96.65 132.33,96.65 123.19,95.12 119.63,95.12 117.09,96.65 115.06,96.65 ; 115.06,96.65 115.06,96.72 115.06,96.65 ; 115.06,96.65 113.28,96.65 104.14,95.12 100.58,95.12 98.04,96.65 96.01,96.65 ; 96.01,96.65 96.01,96.72 96.01,96.65 ; 96.01,96.65 94.23,96.65 85.09,95.12 81.53,95.12 78.99,96.65 76.96,96.65 ; 76.96,96.65 76.96,96.72 76.96,96.65 ; 76.96,96.65 75.18,96.65 66.04,95.12 62.48,95.12 59.94,96.65 57.91,96.65 ; 57.91,96.65 57.91,96.72 57.91,96.65 ; 57.91,96.65 56.13,96.65 46.99,95.12 43.43,95.12 40.89,96.65 38.86,96.65 38.86,96.72 ; U32.30 39.5,96.65 37.72,96.65 20.96,95.12 17.4,95.12 14.86,96.65 14.79,96.72 U31.30
/A5: length 190.9
  Copper w0.25: U31.29 11.24,99.89 9.05,97.69 4.54,97.69 P4.7
  Copper w0.381: 173.54,99.89 U39.29 173.93,99.89 176.78,98.3 180.21,98.3 181.36,97.16 181.36,95.38 182.37,94.36 RR3.10
  Copper w0.508: 172.21,99.89 172.21,99.82 170.43,99.82 161.29,98.3 157.73,98.3 155.19,99.82 153.16,99.82 ; 153.16,99.82 153.16,99.89 153.16,99.82 ; 153.16,99.82 151.38,99.82 142.24,98.3 138.68,98.3 136.14,99.82 134.11,99.82 ; 134.11,99.82 134.11,99.89 134.11,99.82 ; 134.11,99.82 132.33,99.82 123.19,98.3 119.63,98.3 117.09,99.82 115.06,99.82 ; 115.06,99.82 115.06,99.89 115.06,99.82 ; 115.06,99.82 113.28,99.82 104.14,98.3 100.58,98.3 98.04,99.82 96.01,99.82 ; 96.01,99.82 96.01,99.89 96.01,99.82 ; 96.01,99.82 94.23,99.82 85.09,98.3 81.53,98.3 78.99,99.82 76.96,99.82 ; 76.96,99.82 76.96,99.89 76.96,99.82 ; 76.96,99.82 75.18,99.82 66.04,98.3 62.48,98.3 59.94,99.82 57.91,99.82 ; 57.91,99.82 57.91,99.89 57.91,99.82 ; 57.91,99.82 56.13,99.82 46.99,98.3 43.43,98.3 40.89,99.82 38.86,99.82 38.86,99.89 ; U32.29 39.5,99.82 37.72,99.82 20.96,98.3 17.4,98.3 14.86,99.82 14.79,99.89 U31.29
/A6: length 194.7
  Component w0.381: 179.2,90.42 179.07,90.42 U39.82 181.23,88.33 181.23,85.5 183.19,83.54 185.58,83.54 RR9.4
  Copper w0.381: 17.4,90.37 17.46,90.37 ; 17.4,90.37 U31.82 ; 17.4,90.37 14.86,91.95 10.29,91.95 9.65,91.31 P4.14
  Copper w0.508: 178.56,90.37 178.56,90.3 176.78,90.3 173.99,91.95 170.43,91.95 161.29,90.3 159.39,90.3 159.51,90.37 159.51,90.3 157.73,90.3 154.94,91.95 151.38,91.95 142.24,90.3 140.34,90.3 140.46,90.37 140.46,90.3 138.68,90.3 135.89,91.95 132.33,91.95 123.19,90.3 121.28,90.3 121.41,90.37 121.41,90.3 119.63,90.3 116.84,91.95 113.28,91.95 104.14,90.3 102.24,90.3 102.36,90.37 102.36,90.3 100.58,90.3 97.79,91.95 94.23,91.95 85.09,90.3 83.19,90.3 83.31,90.37 83.31,90.3 81.53,90.3 78.74,91.95 75.18,91.95 66.04,90.3 64.14,90.3 64.26,90.37 64.26,90.3 62.48,90.3 59.69,91.95 56.13,91.95 46.99,90.3 45.09,90.3 45.21,90.37 ; U32.82 45.85,90.3 44.07,90.3 41.28,91.95 37.72,91.95 21.08,90.3 19.05,90.3 19.17,90.37
